# Altium PCB Copy of master.PcbDoc (part 1 of 7) (continued)
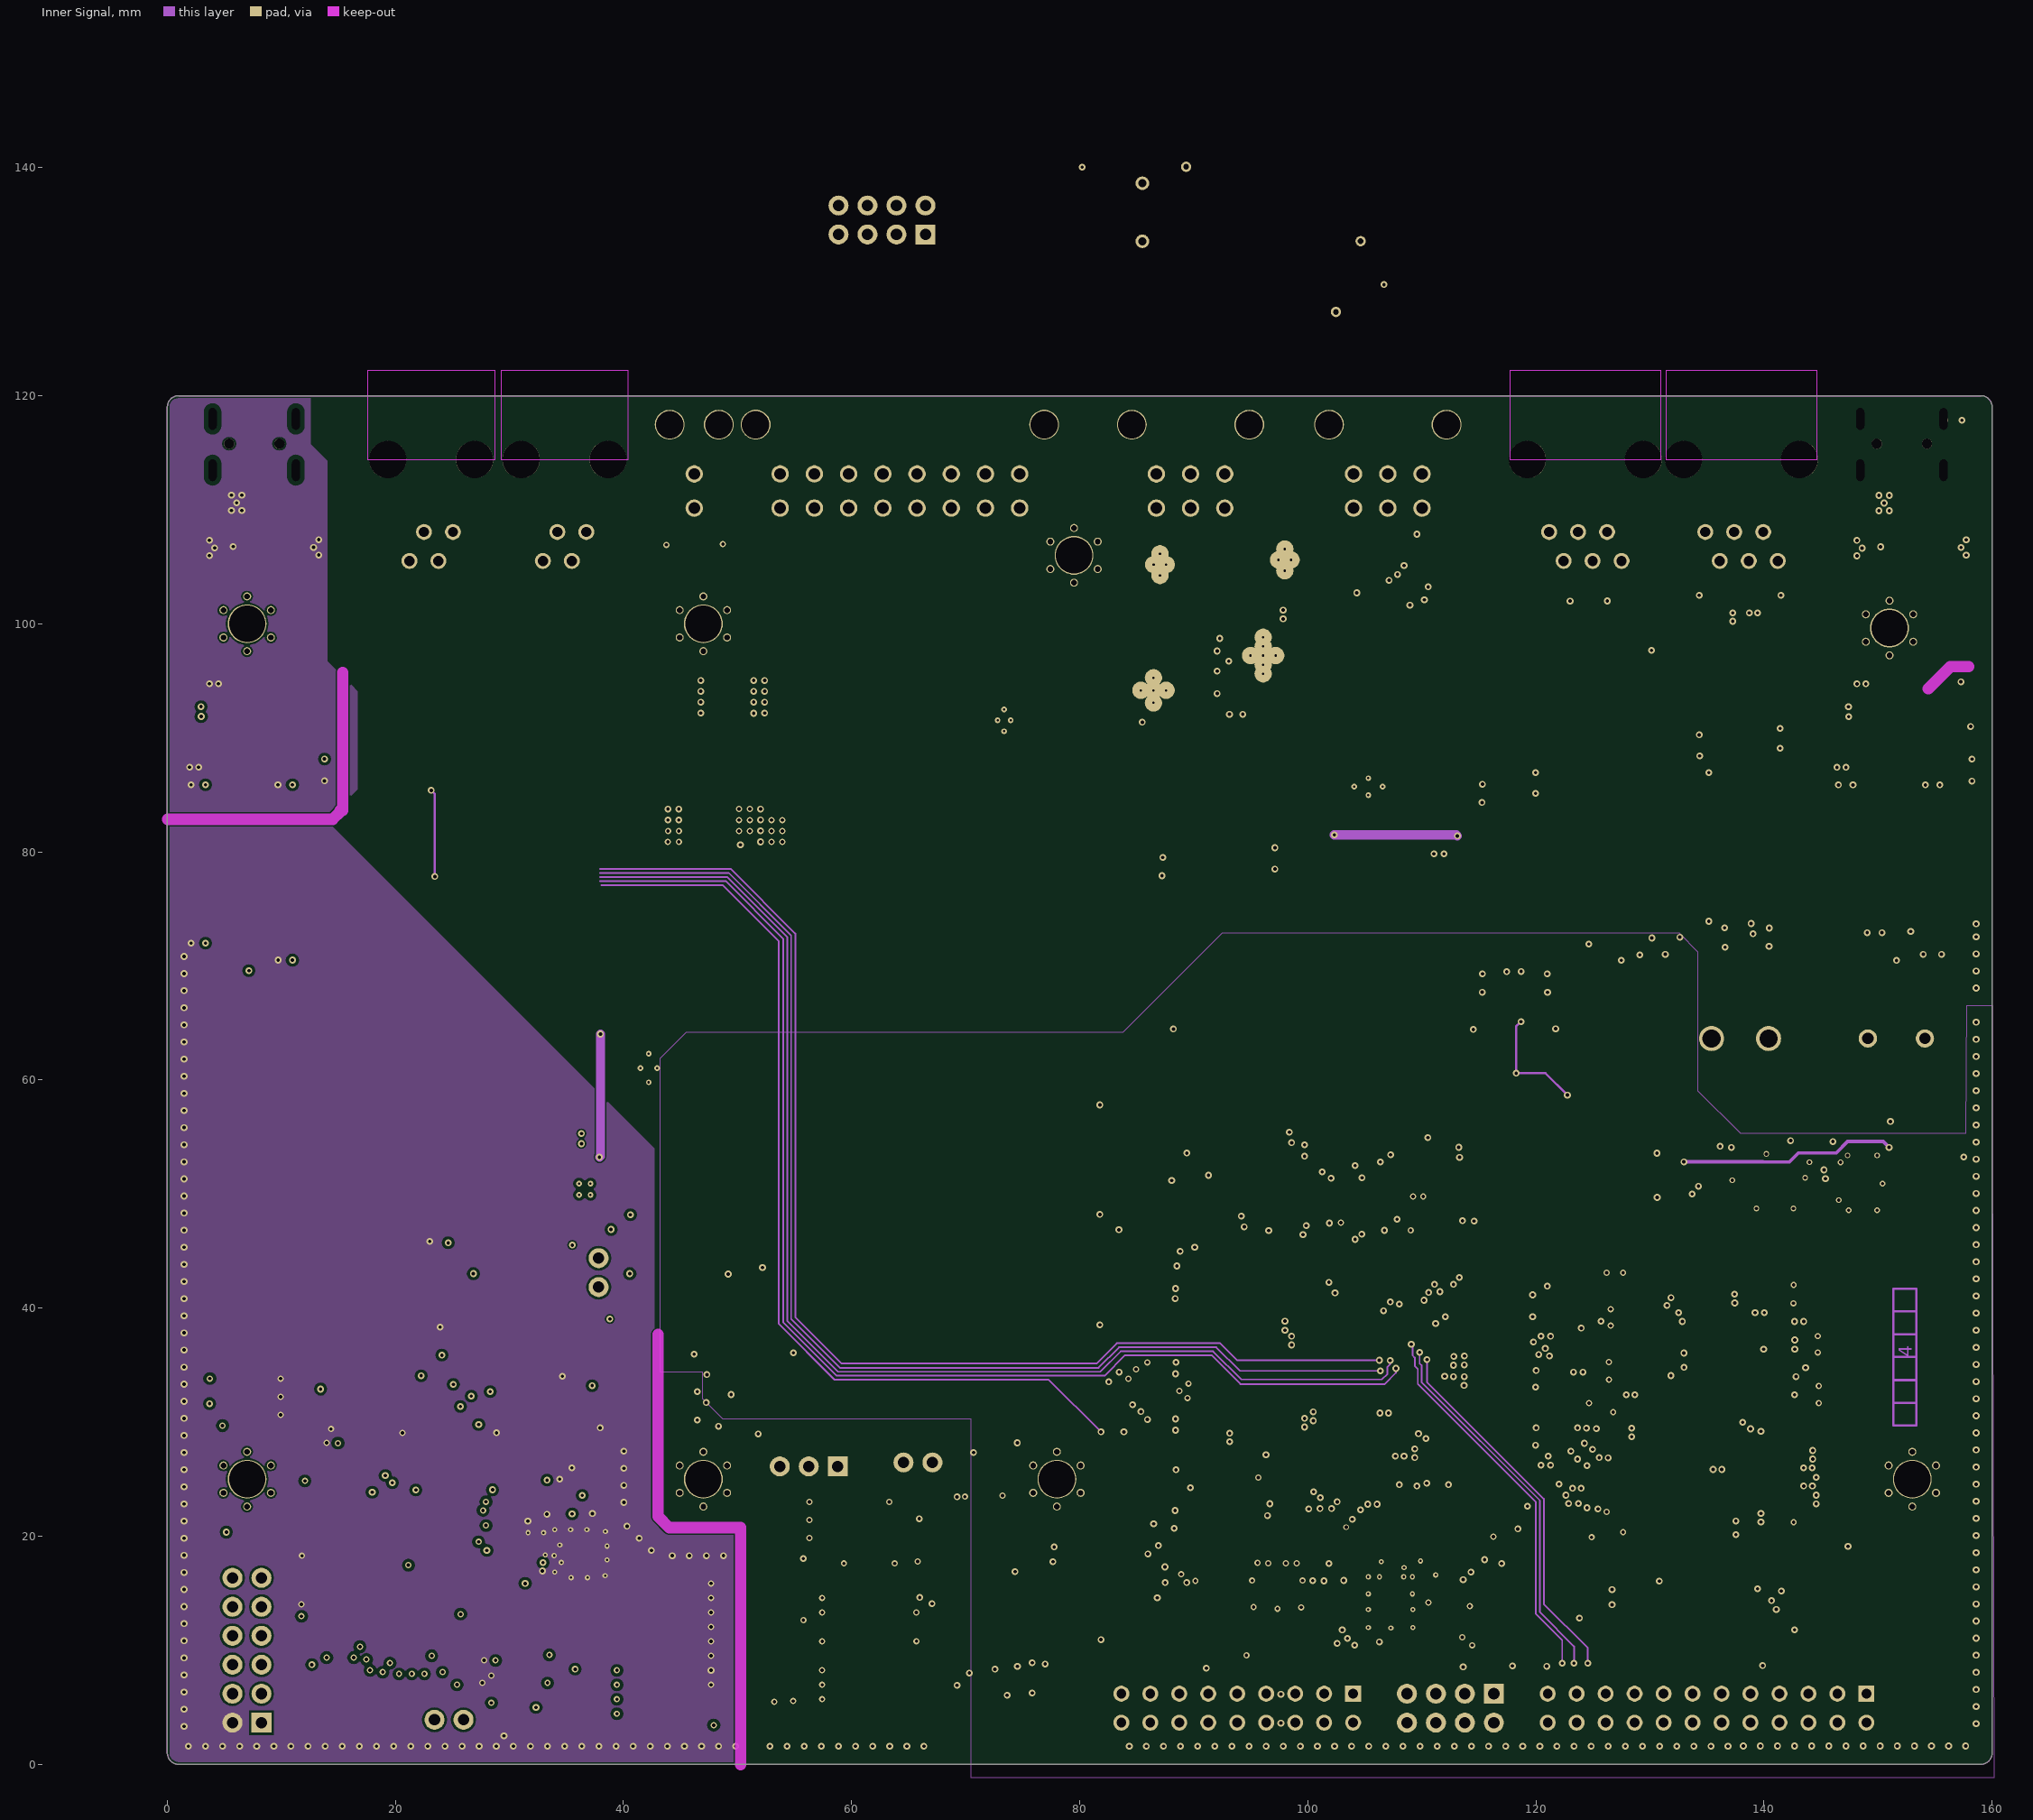
[diagram p4: Inner Signal]
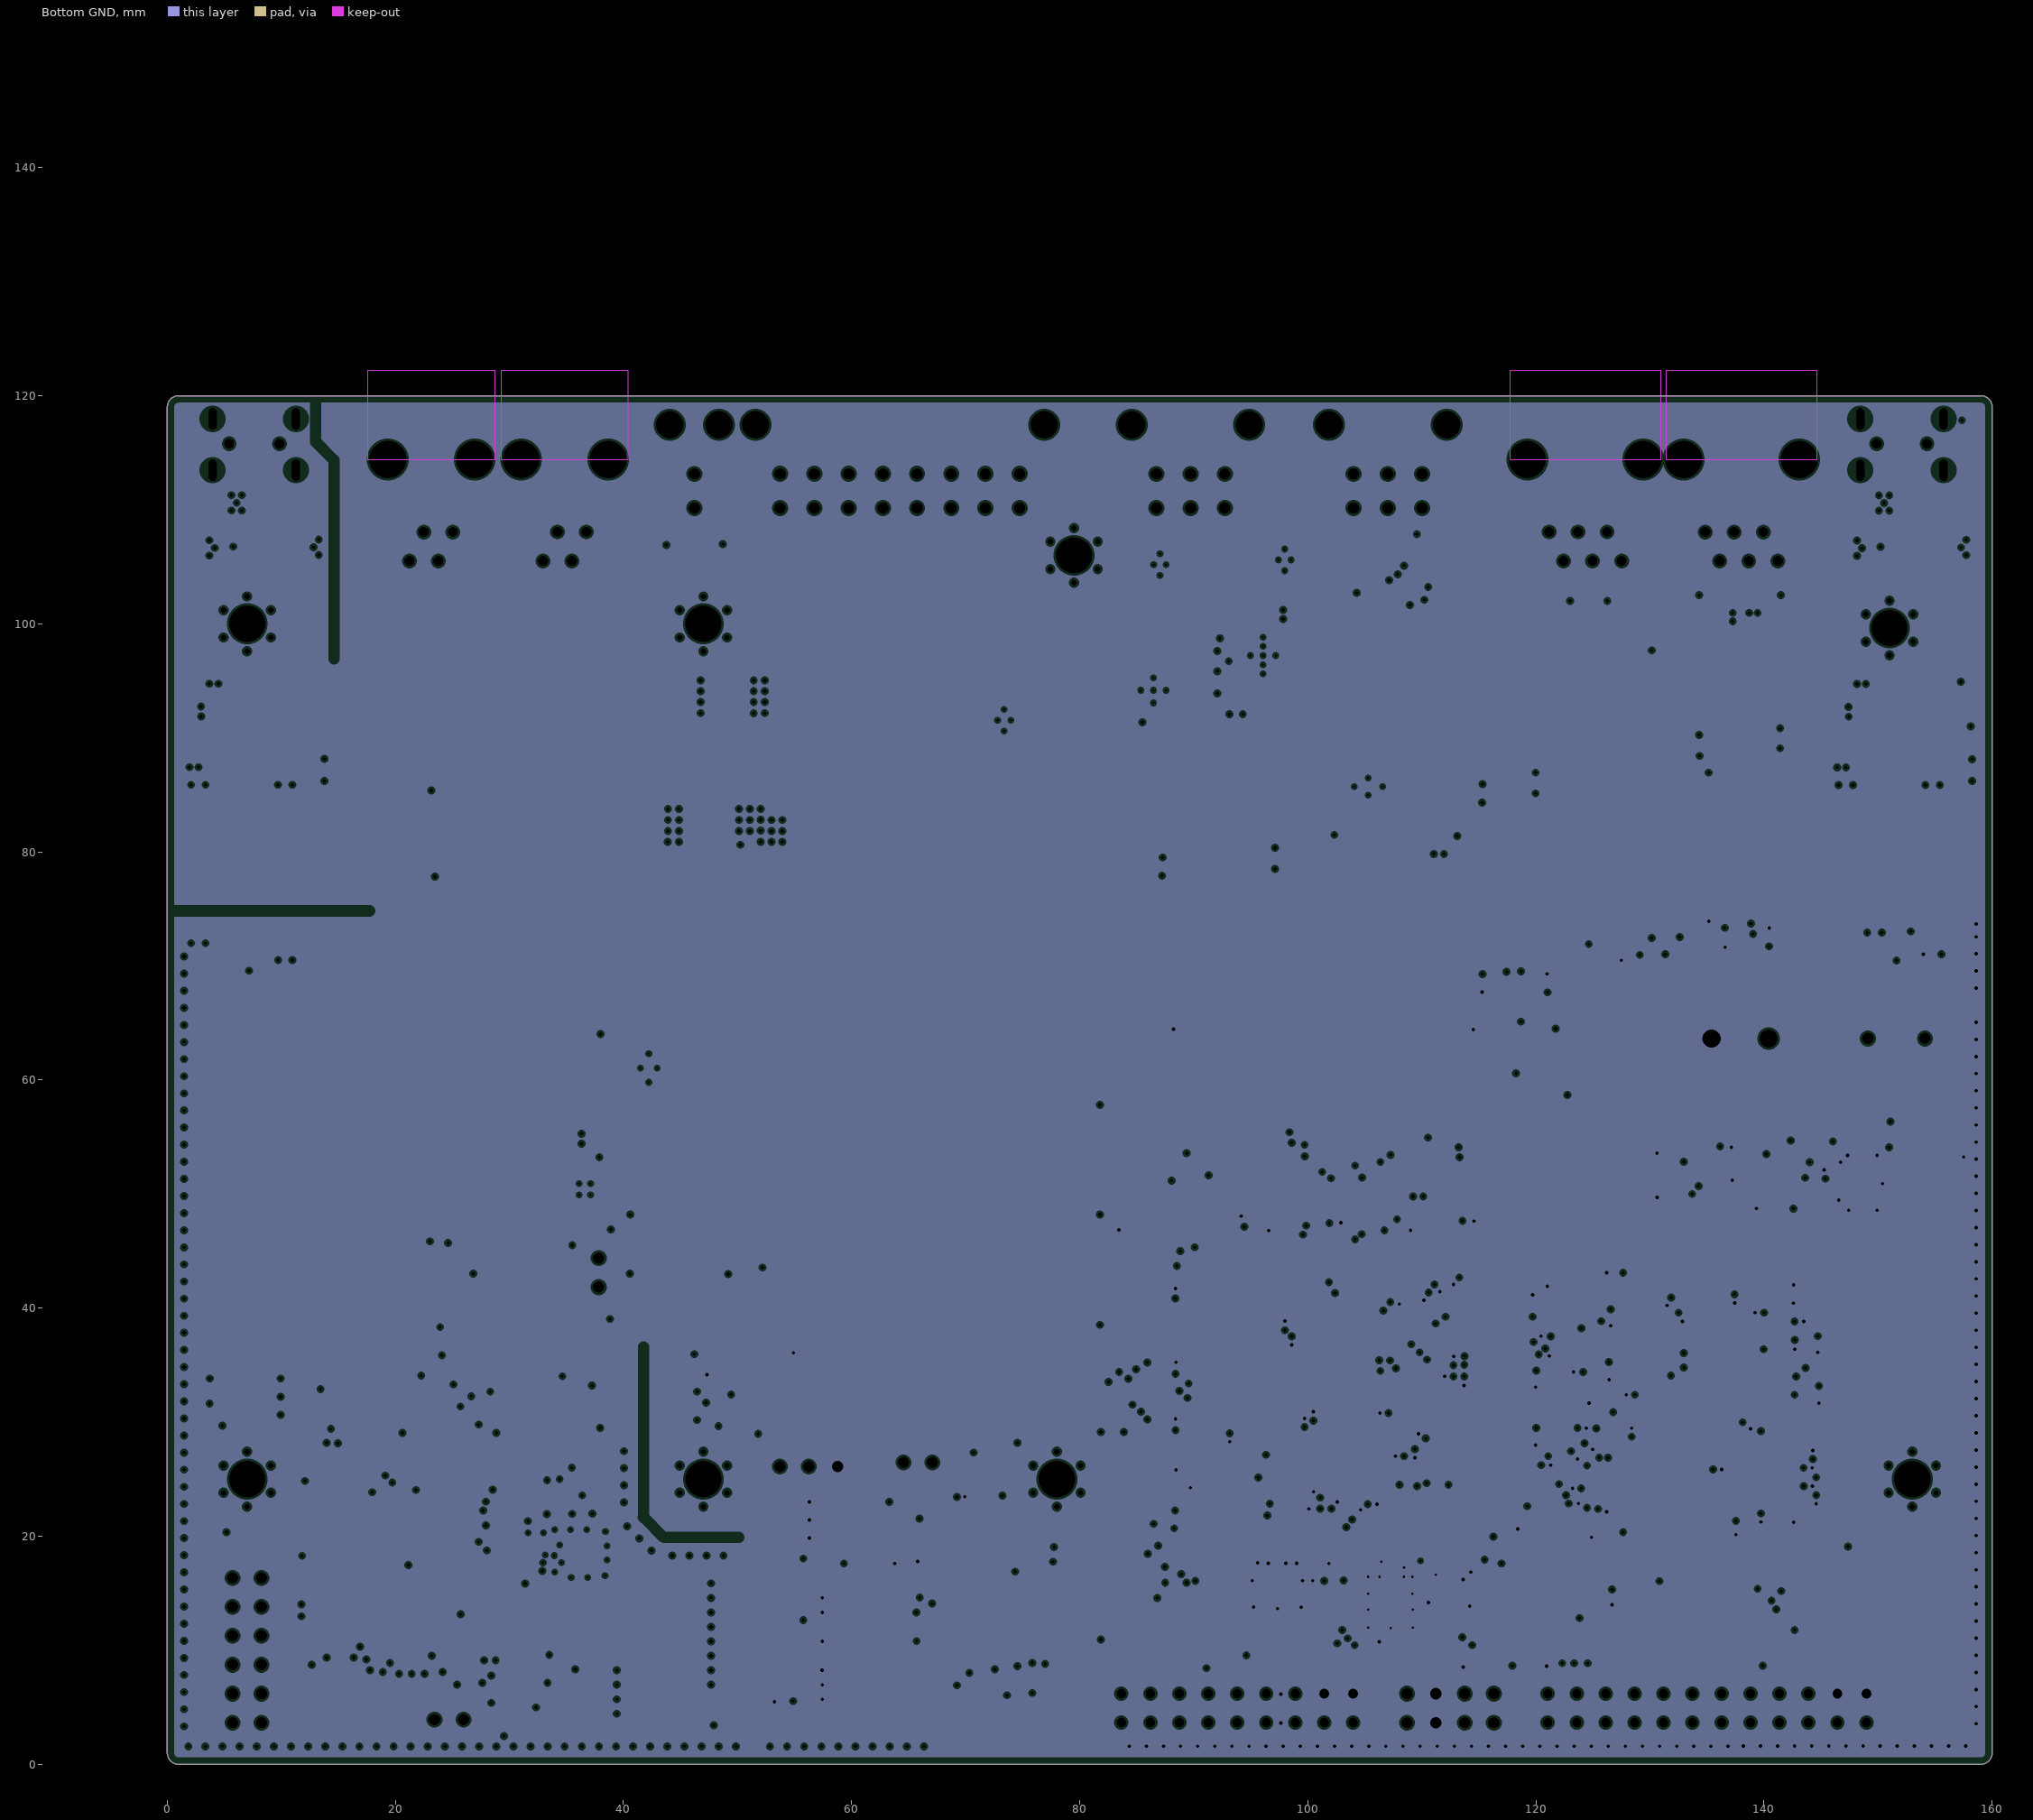
[diagram p5: Bottom GND, clearances drawn from the general rule]

## Layer stack, top to bottom
Top Solder: solder mask 0.015, Solder Resist, Dk 3.5
Top Signal: signal copper 0.018
Dielectric 1: prepreg 0.1118, PP-015, Dk 4.29
Top GND: plane copper 0.035, net (Multiple Nets)
Dielectric 4: core 0.53, Core-009, Dk 3.96
Inner PWR: plane copper 0.035, net (Multiple Nets)
Dielectric 2: prepreg 0.1118, PP-015, Dk 4.29
Inner Signal: signal copper 0.035
Dielectric 5: core 0.53, Core-009, Dk 3.96
Bottom GND: plane copper 0.035, net GND_0
Dielectric 3: prepreg 0.1118, PP-015, Dk 4.29
Bottom Signal: signal copper 0.018
Bottom Solder: solder mask 0.015, Solder Resist, Dk 3.5

## Board outline
159,0 1,0 cw(c1,1) 0,1 0,119 cw(c1,119) 1,120 159,120 cw(c159,119) 160,119 160,1 cw(c159,1)

## Design rules (kind name [scope] priority, off if disabled: settings)
AssemblyTestPointUsage [All] p1 off:
AssemblyTestpoint [(IsPad And (OnTopLayer Or OnBottomLayer)) Or (IsPad And OnMultiLayer)] p1 off: testpointundercomponent=FALSE minsize=1.016 maxsize=2.54 preferedsize=1.524 minholesize=0 maxholesize=1.016 preferedholesize=0.813 testpointgrid=0.025 usegrid=TRUE gridtolerance=0 allowsidetop=TRUE
BoardOutlineClearance [not IsKeepOut] p1: gap=0.203 ignorepadtopadclearanceinfootprint=FALSE except(0.508: Arc-CavityEdge Track-CavityEdge SMDPad-CavityEdge THPad-CavityEdge Via-CavityEdge Fill-CavityEdge Poly-CavityEdge Region-CavityEdge Text-CavityEdge)
Clearance [InNetClass('ISO_EXT') or InNetClass('ISO_MCU_SEC') or InNetClass('ISO_MCU_USB') or InNetClass('ISO_MCU') vs not (InNetClass('ISO_EXT') or InNetClass('ISO_MCU_SEC') or InNetClass('ISO_MCU_USB') or InNetClass('ISO_MCU'))] p1: gap=0.15 ignorepadtopadclearanceinfootprint=TRUE except(0.1: Arc-Arc Arc-Track Arc-SMDPad Arc-THPad Track-Track Track-SMDPad Track-THPad SMDPad-SMDPad SMDPad-THPad THPad-THPad; 0.127: Arc-Via Arc-Fill Arc-Poly Arc-Region Track-Via Track-Fill Track-Poly Track-Region SMDPad-Via THPad-Via Via-Via Via-Fill Via-Poly Via-Region Via-Text Via-Hole)
Clearance PolygonClear [IsKeepOut vs InPoly] p2: gap=0.15 ignorepadtopadclearanceinfootprint=TRUE except(0.1: Arc-Arc Arc-Track Arc-SMDPad Arc-THPad Track-Track Track-SMDPad Track-THPad SMDPad-SMDPad SMDPad-THPad THPad-THPad; 0.127: Arc-Via Arc-Fill Arc-Poly Arc-Region Track-Via Track-Fill Track-Poly Track-Region SMDPad-Via THPad-Via Via-Via Via-Fill Via-Poly Via-Region Via-Text Via-Hole)
Clearance "Schematic Clearance Constraint" [InNetClass('FMC.SDRAM')] p3: gap=0.12 ignorepadtopadclearanceinfootprint=FALSE except(0.127: Arc-Via Track-Via Via-Via Via-Fill Via-Poly Via-Region; 0.2: Arc-Text Arc-Hole Track-Text Track-Hole SMDPad-Text SMDPad-Hole THPad-Text THPad-Hole Via-Text Via-Hole Fill-Text Fill-Hole Poly-Text Poly-Hole Region-Text Region-Hole Text-Text Text-Hole)
Clearance Outer-LV-GAP_ISO_EXT [InNetClass('ISO_EXT') and OnOutside and not IsKeepOut vs (InNetClass('ISO_EXT') = false) and OnOutside and (IsKeepOut = false) and (InNetClass('ISO_MCU') or InNetClass('ISO_MCU_SEC') or InNetClass('ISO_MCU_USB') or InNetClass('ISO_COM'))] p4: gap=1.8 ignorepadtopadclearanceinfootprint=TRUE except(0: Arc-Text Track-Text SMDPad-Text THPad-Text Via-Text Fill-Text Poly-Text Region-Text Text-Text; 0.2: Arc-Hole Track-Hole SMDPad-Hole THPad-Hole Via-Hole Fill-Hole Poly-Hole Region-Hole Text-Hole; 3: Arc-SMDPad Arc-THPad Track-SMDPad Track-THPad SMDPad-SMDPad SMDPad-THPad THPad-THPad) // 600VDC Outer Gap
Clearance InnerLV-GAP_ISO_EXT [InNetClass('ISO_EXT') and OnMid and not IsKeepOut vs not InNetClass('ISO_EXT') and OnMid and (InNetClass('ISO_MCU') or InNetClass('ISO_MCU_SEC') or InNetClass('ISO_MCU_USB') or InNetClass('ISO_COM'))] p5: gap=0.7 ignorepadtopadclearanceinfootprint=TRUE except(0: Arc-Text Track-Text SMDPad-Text THPad-Text Via-Text Fill-Text Poly-Text Region-Text Text-Text; 0.2: Arc-Hole Track-Hole SMDPad-Hole THPad-Hole Via-Hole Fill-Hole Poly-Hole Region-Hole Text-Hole) // 600VDC Inner Gap
Clearance Outer-LV-GAP_ISO_MCU [InNetClass('ISO_MCU')  and OnOutside       and not IsKeepOut vs (not InNetClass('ISO_MCU')) and OnOutside and not IsKeepOut and (InNetClass('ISO_EXT') or InNetClass('ISO_MCU_SEC') or InNetClass('ISO_MCU_USB')or InNetClass('ISO_COM'))] p6: gap=1.8 ignorepadtopadclearanceinfootprint=TRUE except(0: Arc-Text Track-Text SMDPad-Text THPad-Text Via-Text Fill-Text Poly-Text Region-Text Text-Text; 0.2: Arc-Hole Track-Hole SMDPad-Hole THPad-Hole Via-Hole Fill-Hole Poly-Hole Region-Hole Text-Hole; 3: Arc-SMDPad Arc-THPad Track-SMDPad Track-THPad SMDPad-SMDPad SMDPad-THPad THPad-THPad) // 600VDC Outer Gap
Clearance Inner-LV-GAP_ISO_MCU [InNetClass('ISO_MCU') and OnMid and not IsKeepOut vs not InNetClass('ISO_MCU') and OnMid and (InNetClass('ISO_EXT') or InNetClass('ISO_MCU_SEC') or InNetClass('ISO_MCU_USB'or InNetClass('ISO_COM')))] p7: gap=0.7 ignorepadtopadclearanceinfootprint=TRUE except(0: Arc-Text Track-Text SMDPad-Text THPad-Text Via-Text Fill-Text Poly-Text Region-Text Text-Text; 0.2: Arc-Hole Track-Hole SMDPad-Hole THPad-Hole Via-Hole Fill-Hole Poly-Hole Region-Hole Text-Hole) // 600VDC Outer Gap
Clearance Outer-LV-GAP_ISO_MCU_SEC [InNetClass('ISO_MCU_SEC') and OnOutside and not IsKeepOut vs (not InNetClass('ISO_MCU_SEC')) and OnOutside and not IsKeepOut and (InNetClass('ISO_EXT') or InNetClass('ISO_MCU') or InNetClass('ISO_MCU_USB')or InNetClass('ISO_COM'))] p8: gap=1.8 ignorepadtopadclearanceinfootprint=TRUE except(0: Arc-Text Track-Text SMDPad-Text THPad-Text Via-Text Fill-Text Poly-Text Region-Text Text-Text; 0.2: Arc-Hole Track-Hole SMDPad-Hole THPad-Hole Via-Hole Fill-Hole Poly-Hole Region-Hole Text-Hole; 3: Arc-SMDPad Arc-THPad Track-SMDPad Track-THPad SMDPad-SMDPad SMDPad-THPad THPad-THPad) // 600VDC Outer Gap
Clearance Inner-LV-GAP_ISO_MCU_SEC [InNetClass('ISO_MCU_SEC') and OnMid and not IsKeepOut vs not InNetClass('ISO_MCU_SEC') and OnMid and (InNetClass('ISO_EXT') or InNetClass('ISO_MCU') or InNetClass('ISO_MCU_USB')or InNetClass('ISO_COM'))] p9: gap=0.7 ignorepadtopadclearanceinfootprint=TRUE except(0: Arc-Text Track-Text SMDPad-Text THPad-Text Via-Text Fill-Text Poly-Text Region-Text Text-Text; 0.2: Arc-Hole Track-Hole SMDPad-Hole THPad-Hole Via-Hole Fill-Hole Poly-Hole Region-Hole Text-Hole) // 600VDC Outer Gap
Clearance Outer-LV-GAP_ISO_USB [InNetClass('ISO_MCU_USB') and OnOutside and not IsKeepOut vs (not InNetClass('ISO_MCU_USB')) and OnOutside and not IsKeepOut and (InNetClass('ISO_EXT') or InNetClass('ISO_MCU') or InNetClass('ISO_MCU_SEC')or InNetClass('ISO_COM'))] p10: gap=1.8 ignorepadtopadclearanceinfootprint=TRUE except(0: Arc-Text Track-Text SMDPad-Text THPad-Text Via-Text Fill-Text Poly-Text Region-Text Text-Text; 0.2: Arc-Hole Track-Hole SMDPad-Hole THPad-Hole Via-Hole Fill-Hole Poly-Hole Region-Hole Text-Hole; 3: Arc-SMDPad Arc-THPad Track-SMDPad Track-THPad SMDPad-SMDPad SMDPad-THPad THPad-THPad) // 600VDC Outer Gap
Clearance Outer-LV-GAP_ISO_COM [InNetClass('ISO_COM') and OnOutside and not IsKeepOut vs (not InNetClass('ISO_COM') and not InNetClass('ISO_EXT')) and OnOutside and not IsKeepOut and (InNetClass('ISO_MCU') or InNetClass('ISO_MCU_SEC')or InNetClass('ISO_MCU_USB'))] p11: gap=1.8 ignorepadtopadclearanceinfootprint=TRUE except(0: Arc-Text Track-Text SMDPad-Text THPad-Text Via-Text Fill-Text Poly-Text Region-Text Text-Text; 0.2: Arc-Hole Track-Hole SMDPad-Hole THPad-Hole Via-Hole Fill-Hole Poly-Hole Region-Hole Text-Hole; 3: Arc-SMDPad Arc-THPad Track-SMDPad Track-THPad SMDPad-SMDPad SMDPad-THPad THPad-THPad) // 600VDC Outer Gap
Clearance Inner-LV-GAP_ISO_USB [InNetClass('ISO_MCU_USB') and OnMid and not IsKeepOut vs not InNetClass('ISO_MCU_USB') and OnMid     and (InNetClass('ISO_EXT') or InNetClass('ISO_MCU') or InNetClass('ISO_MCU_SEC')or InNetClass('ISO_COM'))] p12: gap=0.7 ignorepadtopadclearanceinfootprint=TRUE except(0: Arc-Text Track-Text SMDPad-Text THPad-Text Via-Text Fill-Text Poly-Text Region-Text Text-Text; 0.2: Arc-Hole Track-Hole SMDPad-Hole THPad-Hole Via-Hole Fill-Hole Poly-Hole Region-Hole Text-Hole) // 600VDC Outer Gap
Clearance Inner-LV-GAP_ISO_COM [InNetClass('ISO_COM') and OnMid and not IsKeepOut vs (not InNetClass('ISO_COM') and not InNetClass('ISO_EXT')) and OnMid and (InNetClass('ISO_MCU') or InNetClass('ISO_MCU_SEC')or InNetClass('ISO_MCU_USB'))] p13: gap=0.7 ignorepadtopadclearanceinfootprint=TRUE except(0: Arc-Text Track-Text SMDPad-Text THPad-Text Via-Text Fill-Text Poly-Text Region-Text Text-Text; 0.2: Arc-Hole Track-Hole SMDPad-Hole THPad-Hole Via-Hole Fill-Hole Poly-Hole Region-Hole Text-Hole) // 600VDC Outer Gap
Clearance InnerLayers [OnMid vs not IsKeepOut] p14: gap=0.2 ignorepadtopadclearanceinfootprint=TRUE except(0.127: Arc-Via Track-Via SMDPad-Via THPad-Via Via-Via Via-Fill Via-Poly Via-Region Via-Text Via-Hole; 0.4: Arc-Hole Track-Hole SMDPad-Hole THPad-Hole Fill-Hole Poly-Hole Region-Hole Text-Hole)
Clearance OuterLayers [OnOutside vs not IsKeepOut] p15: gap=0.15 ignorepadtopadclearanceinfootprint=TRUE except(0.1: Arc-Arc Arc-Track Arc-SMDPad Arc-THPad Track-Track Track-SMDPad Track-THPad SMDPad-SMDPad SMDPad-THPad THPad-THPad; 0.127: Arc-Via Arc-Fill Arc-Poly Arc-Region Track-Via Track-Fill Track-Poly Track-Region SMDPad-Via THPad-Via Via-Via Via-Fill Via-Poly Via-Region Via-Text; 0.2: Arc-Hole Track-Hole SMDPad-Hole THPad-Hole Via-Hole Fill-Hole Poly-Hole Region-Hole Text-Hole)
ComponentClearance [All] p1: gap=0.1 collisioncheckmode=3 verticalgap=0.1 showdistances=TRUE
DiffPairsRouting [All] p1: maxlimit=0.254 minlimit=0.127 mostfreqgap=0.254 toplayer_maxgap=0.203 toplayer_prefgap=0.152 toplayer_minwidth=0.131 toplayer_maxwidth=0.152 toplayer_prefwidth=0.14 midlayer1_mingap=0.254 midlayer1_minwidth=0.381 midlayer1_maxwidth=0.381 midlayer1_prefwidth=0.381 bottomlayer_maxgap=0.203 bottomlayer_prefgap=0.152 bottomlayer_minwidth=0.131 bottomlayer_maxwidth=0.152 bottomlayer_prefwidth=0.14 maxuncoupledlength=12.7
FabricationTestpoint [All] p1: side=1 testpointundercomponent=TRUE minsize=0.508 maxsize=7.62 preferedsize=1.524 minholesize=0 maxholesize=1.016 preferedholesize=0.813 testpointgrid=0.025 allowsidetop=TRUE usegrid=FALSE gridtolerance=0
HoleSize [All] p1: absolutevalues=TRUE maxlimit=6.4 minlimit=0.2 maxpercent=80.000 minpercent=20.000
HoleToHoleClearance [All] p1: gap=0.377 allowstackedmicrovias=FALSE
Length "Schematic Length Constraint" [InNetClass('FMC.SDRAM')] p1: maxlimit=120 minlimit=0
MatchedLengths "Schematic Matched Net Lengths_3" [InNetClass('FMC.CNTRL')] p1: tolerance=20 checknetsindiffpair=FALSE checkdiffpairvsdiffpair=TRUE checkxsignals=TRUE checkothers=TRUE
MatchedLengths "Schematic Matched Net Lengths_1" [InNetClass('FMC.DQM')] p2: tolerance=10 checknetsindiffpair=FALSE checkdiffpairvsdiffpair=TRUE checkxsignals=TRUE checkothers=TRUE
MatchedLengths "Schematic Matched Net Lengths" [InNetClass('FMC.ADR')] p3: tolerance=10 checknetsindiffpair=FALSE checkdiffpairvsdiffpair=TRUE checkxsignals=TRUE checkothers=TRUE
MaxMinImpedance "Schematic Impedance Constraint" [InNetClass('FMC.SDRAM')] p1: minimum=50.00 maximum=60.00
MinimumAnnularRing [All] p1: minimumring=0.1
MinimumSolderMaskSliver [All] p1: minsoldermaskwidth=0.05
NetAntennae [not InNet('CAN_GND_INT')  and not InNet('GND_1')] p1: netantennaetolerance=0
PlaneClearance [All] p1: clearance=0.2
PlaneConnect [All] p1: planeconnectstyle=Direct reliefexpansion=0.45 reliefentries=4 reliefconductorwidth=0.4 reliefairgap=0.2
PolygonConnect TopGND [InNet('GND_0') or InNet('GND_COM') or InNet('GND_1') or InNet('USB_GND_1') or InNet('USB_GND_2') or InNet('CAN_GND') or InNet('RTN_EXT_0') or InNet('EXT_2_GND') or InNet('GND_INT') vs OnTopLayer] p1: thpad.connectstyle=NoConnect thpad.reliefconductorwidth=0.4 thpad.reliefentries=4 thpad.polygonreliefangle="45 Angle" thpad.airgapwidth=0.15 smdpad.connectstyle=NoConnect smdpad.reliefconductorwidth=0.4 smdpad.reliefentries=4 smdpad.polygonreliefangle="90 Angle" smdpad.airgapwidth=0.15 via.connectstyle=Direct via.reliefconductorwidth=0.4 via.reliefentries=4 via.polygonreliefangle="45 Angle" via.airgapwidth=0.15
PolygonConnect [All vs not OnTopLayer] p2: thpad.connectstyle=Direct thpad.reliefconductorwidth=0.4 thpad.reliefentries=4 thpad.polygonreliefangle="90 Angle" thpad.airgapwidth=0.2 smdpad.connectstyle=Relief smdpad.reliefconductorwidth=0.4 smdpad.reliefentries=4 smdpad.polygonreliefangle="90 Angle" smdpad.airgapwidth=0.2 via.connectstyle=Direct via.reliefconductorwidth=0.4 via.reliefentries=4 via.polygonreliefangle="90 Angle" via.airgapwidth=0.2
RoomDefinition MCU_1_VCC [InComponentClass('MCU_1_VCC')] p1: confinementstyle=ConfineIn formatcopy=TRUE lockcomponents=FALSE outline 11.513,38.238 11.513,50.379 3.537,50.379 3.537,38.238
RoomDefinition MCU_1_ISO [InComponentClass('MCU_1_ISO')] p2: confinementstyle=ConfineIn formatcopy=TRUE lockcomponents=FALSE outline 47.145,69.568 16.16,69.568 16.16,49.193 47.145,49.193
RoomDefinition MCU_0_VCC [InComponentClass('MCU_0_VCC')] p3: confinementstyle=ConfineIn formatcopy=TRUE lockcomponents=FALSE outline 127.587,66.344 115.216,66.344 115.216,54.949 127.587,54.949
RoomDefinition MCU_0_ISO [InComponentClass('MCU_0_ISO')] p4: confinementstyle=ConfineIn formatcopy=TRUE lockcomponents=FALSE outline 96.782,90.653 96.782,59.668 114.198,59.668 114.198,90.653
RoomDefinition EXT_SUPPLY_VCC [InComponentClass('EXT_SUPPLY_VCC')] p5: confinementstyle=ConfineIn formatcopy=TRUE lockcomponents=FALSE outline 81.247,78.928 81.247,97.521 66.363,97.521 66.363,78.928
RoomDefinition COM_EXT_ISO [InComponentClass('COM_EXT_ISO')] p6: confinementstyle=ConfineIn formatcopy=TRUE lockcomponents=FALSE outline 103.248,89.984 134.149,89.984 134.149,102.654 103.248,102.654
RoomDefinition U_08_CAN1 [InComponentClass('U_08_CAN1')] p7: confinementstyle=ConfineIn formatcopy=TRUE lockcomponents=FALSE outline 117.526,72.049 144.937,72.049 144.937,122.515 117.526,122.515
RoomDefinition U_08_CAN0 [InComponentClass('U_08_CAN0')] p8: confinementstyle=ConfineIn formatcopy=TRUE lockcomponents=FALSE outline 98.549,70.028 121.361,70.028 121.361,119.99 98.549,119.99
RoomDefinition U_0301_LTC6820_reverse2 [InComponentClass('U_0301_LTC6820_reverse2')] p9: confinementstyle=ConfineIn formatcopy=TRUE lockcomponents=FALSE outline 16.535,70.075 28.499,70.075 28.499,105.218 16.535,105.218
RoomDefinition U_0301_LTC6820_reverse1 [InComponentClass('U_0301_LTC6820_reverse1')] p10: confinementstyle=ConfineIn formatcopy=TRUE lockcomponents=FALSE outline 16.688,69.814 28.098,69.814 28.098,105.007 16.688,105.007
RoomDefinition U_0301_LTC6820_forward2 [InComponentClass('U_0301_LTC6820_forward2')] p11: confinementstyle=ConfineIn formatcopy=TRUE lockcomponents=FALSE outline 28.565,70.545 42.594,70.545 42.594,105.743 28.565,105.743
RoomDefinition U_0301_LTC6820_forward1 [InComponentClass('U_0301_LTC6820_forward1')] p12: confinementstyle=ConfineIn formatcopy=TRUE lockcomponents=FALSE outline 28.499,71.45 41.588,71.45 41.588,103.861 28.499,103.861
RoomDefinition U_08_memorycard [InComponentClass('U_08_memorycard')] p13: confinementstyle=ConfineIn formatcopy=TRUE lockcomponents=FALSE outline 66.177,0.025 92.023,0.025 92.023,22.684 66.177,22.684
RoomDefinition U_07_isolated_rs485 [InComponentClass('U_07_isolated_rs485')] p14: confinementstyle=ConfineIn formatcopy=TRUE lockcomponents=FALSE outline 117.808,71.2 142.452,71.2 142.452,122.391 117.808,122.391
RoomDefinition "Secondary LTC6820" [InComponentClass('Secondary LTC6820')] p15: confinementstyle=ConfineIn formatcopy=TRUE lockcomponents=FALSE outline 45.187,155.143 104.191,155.143 104.191,188.773 45.187,188.773
RoomDefinition "Secondary Galvanic Isolation" [InComponentClass('Secondary Galvanic Isolation')] p16: confinementstyle=ConfineIn formatcopy=TRUE lockcomponents=FALSE outline 17.221,71.958 41.453,71.958 41.453,122.428 17.221,122.428
RoomDefinition "Primary LTC6820" [InComponentClass('Primary LTC6820')] p17: confinementstyle=ConfineIn formatcopy=TRUE lockcomponents=FALSE outline -0.711,130.531 41.072,130.531 41.072,154.762 -0.711,154.762
RoomDefinition CON3 [InComponentClass('CON3')] p18: confinementstyle=ConfineIn formatcopy=TRUE lockcomponents=FALSE outline 87.848,61.29 87.848,70.714 66.319,70.714 66.319,61.29
RoomDefinition CON2 [InComponentClass('CON2')] p19: confinementstyle=ConfineIn formatcopy=TRUE lockcomponents=FALSE outline 87.75,52.437 87.75,61.163 62.23,61.163 62.23,52.437
RoomDefinition CON1 [InComponentClass('CON1')] p20: confinementstyle=ConfineIn formatcopy=TRUE lockcomponents=FALSE outline 87.688,41.376 87.688,54.633 59.284,54.633 59.284,41.376
RoomDefinition CON0 [InComponentClass('CON0')] p21: confinementstyle=ConfineIn formatcopy=FALSE lockcomponents=FALSE outline 71.279,27.74 71.279,50.09 53.18,50.09 53.18,27.74
RoomDefinition USB1 [InComponentClass('USB1')] p22: confinementstyle=ConfineIn formatcopy=TRUE lockcomponents=FALSE outline 17.311,70.714 17.311,119.71 0.573,119.71 0.573,70.714
RoomDefinition USB0 [InComponentClass('USB0')] p23: confinementstyle=ConfineIn formatcopy=TRUE lockcomponents=FALSE outline 160,70.697 160,120 145.018,120 145.018,70.697
RoutingVias [All] p1: holewidth=0.3 width=0.45 viastyle="Through Hole" minholewidth=0.2 minwidth=0.45 maxholewidth=1 maxwidth=7